# KiCad board TRS80_Model_I_Jap20_E1.kicad_pcb (continued)
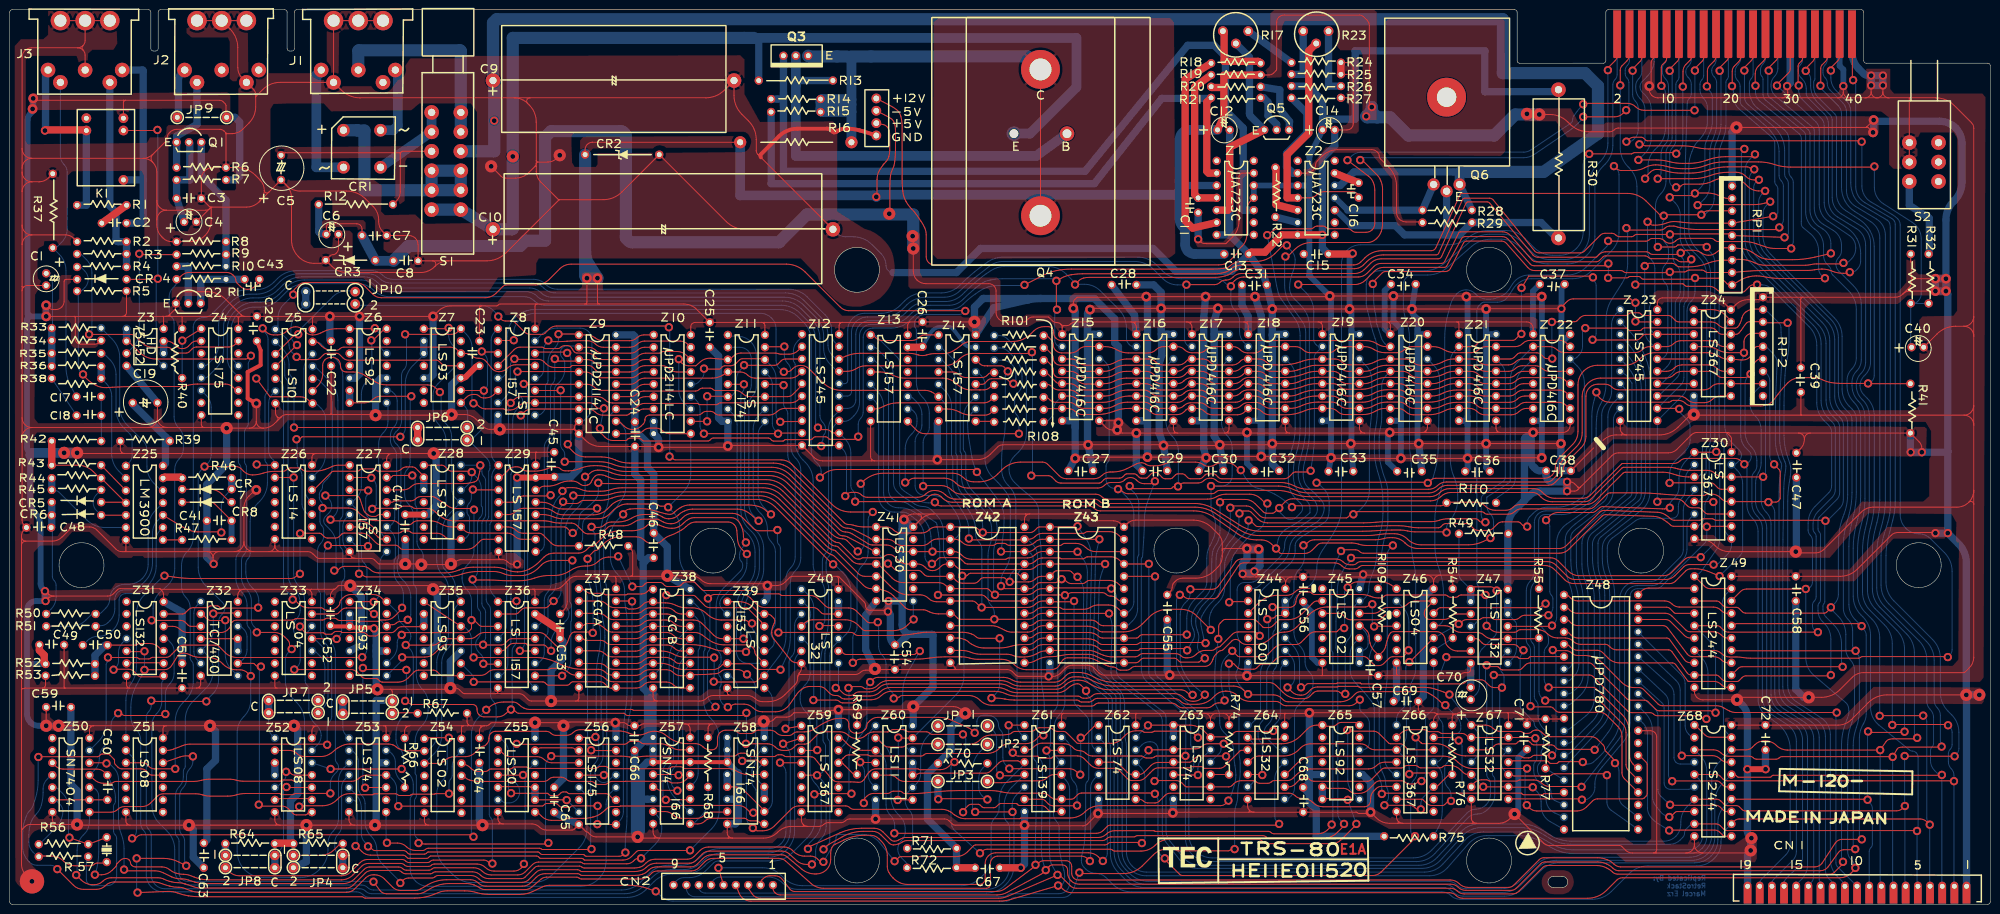
[diagram p0: board, top side]
## Routing (per net, layer and track width the routed paths; a pad name or vN(x,y) marks a point on that pad's centre or on a via; arc(x,y) is an arc through that point) (continued)
/A3: length 639.7
  Top w0.2: Z14.14 199.36,111.17 arc(199.81,110.87) 200.34,110.76 200.91,110.76 arc(200.91,110.76) 200.92,110.76 arc(200.92,110.76) 200.93,110.75 203.74,110.75 arc(204.07,110.69) 204.34,110.5 205.06,109.79 arc(205.09,109.74) 205.1,109.68 v2(205.1,109.62) ; v2(180.47,70.07) 180.57,70.07 arc(180.66,70.05) 180.74,70 181.82,68.92 arc(182.09,68.74) 182.41,68.68 186.69,68.68 arc(187.04,68.61) 187.34,68.41 187.95,67.8 arc(188.33,67.55) 188.77,67.46 Z42.5 193.44,67.46 arc(193.59,67.43) 193.7,67.35 194.46,66.59 arc(195.08,66.18) 195.81,66.03 198.15,66.03 arc(198.61,66.13) 199.01,66.39 199.58,66.96 arc(199.82,67.12) 200.1,67.18 204.27,67.18 arc(204.41,67.15) 204.52,67.07 205.17,66.42 arc(205.26,66.36) 205.37,66.34 v2(205.48,66.34) 205.5,66.32 arc(205.52,66.31) 205.54,66.31 209.31,66.31 arc(210.06,66.45) 210.7,66.88 arc(211.34,67.31) 212.09,67.46 213.25,67.46 arc(213.7,67.55) 214.08,67.8 214.42,68.13 arc(214.42,68.14) 214.42,68.15 arc(214.43,68.17) 214.43,68.18 214.64,68.38 arc(214.88,68.54) 215.16,68.6 217.68,68.6 arc(217.96,68.54) 218.2,68.38 219.15,67.43 arc(219.23,67.37) 219.33,67.35 v2(219.43,67.35) ; Z41.3 177.8,72.54 arc(177.56,72.58) 177.36,72.72 177.35,72.73 arc(177.15,72.9) 176.93,73.04 172.24,75.53 arc(171.74,75.72) 171.21,75.79 arc(170.7,75.89) 170.27,76.17 159.86,86.59 arc(158.09,87.77) 156.01,88.18 126.6,88.18 arc(125.12,88.32) 123.7,88.74 123.43,88.85 arc(122.28,89.19) 121.08,89.3 120.83,89.3 arc(119.93,89.12) 119.17,88.61 118.58,88.02 arc(118.48,87.95) 118.36,87.93 v2(118.23,87.93) ; Z36.5 100.88,52.09 arc(101.38,52.19) 101.8,52.47 102.59,53.26 arc(103.04,53.56) 103.57,53.66 105.9,53.66 arc(106.03,53.64) 106.14,53.56 106.31,53.4 arc(106.38,53.35) 106.46,53.33 109.74,53.33 arc(109.94,53.29) 110.11,53.18 111.11,52.18 arc(111.15,52.15) 111.2,52.14 v2(111.25,52.14) ; v2(369.09,171.42) 369.09,171.67 arc(369.13,171.91) 369.27,172.11 370.51,173.35 arc(370.85,173.86) 370.96,174.45 370.96,178.96 ; v2(389.38,35.5) 389.3,35.43 arc(389.22,35.37) 389.12,35.35 382.77,35.35 arc(382.63,35.38) 382.52,35.45 arc(382.41,35.53) 382.28,35.55 v2(381.89,35.55) ; Z68.14 381.61,21.61 arc(381.68,21.6) 381.73,21.56 v2(381.79,21.51)
  Bottom w0.2: v2(369.09,171.42) 369.58,170.92 arc(369.95,170.37) 370.08,169.73 370.08,168.41 arc(370.45,166.54) 371.5,164.96 374.08,162.39 arc(374.41,161.9) 374.52,161.32 374.52,145.34 arc(375.02,143.43) 376.39,142 380.52,139.47 arc(381.9,138.04) 382.39,136.13 382.39,111.53 arc(382.11,110.12) 381.32,108.92 381.04,108.65 arc(380.45,107.75) 380.24,106.7 arc(380.45,105.64) 381.04,104.75 381.7,104.1 arc(382.78,102.48) 383.16,100.57 383.16,82.87 arc(383.01,80.56) 382.58,78.28 382.34,77.34 arc(381.91,75.06) 381.76,72.74 381.76,64.63 arc(382.17,62.55) 383.35,60.78 387.79,56.35 arc(388.97,54.58) 389.38,52.5 v2(389.38,35.5) ; Z68.14 352.42,20.21 arc(351.39,18.66) 351.03,16.84 351.03,13.3 arc(350.66,11.47) 349.63,9.93 arc(348.08,8.89) 346.26,8.53 318.48,8.53 arc(316.4,8.11) 314.63,6.93 310.96,3.26 arc(309.2,2.08) 307.12,1.67 298.69,1.67 arc(297.53,1.9) 296.54,2.56 arc(295.56,3.22) 294.4,3.45 233.14,3.45 arc(231.06,3.86) 229.29,5.04 227.78,6.55 arc(226.6,8.32) 226.19,10.4 226.19,32.64 arc(226.14,32.89) 225.99,33.1 arc(225.85,33.31) 225.8,33.56 225.8,41.58 arc(225.68,42.13) 225.34,42.57 221.2,46.02 arc(220.66,46.72) 220.47,47.58 arc(220.47,48.53) 220.48,49.49 220.71,64.26 arc(220.55,65.37) 220.08,66.39 v2(219.43,67.35) ; v2(381.89,35.55) 381.84,35.5 arc(381.8,35.45) 381.79,35.38 v2(381.79,21.51) 381.79,21.42 arc(381.8,21.34) 381.85,21.27 382.28,20.83 arc(382.65,20.29) 382.78,19.64 382.78,12.42 arc(382.69,11.99) 382.45,11.63 arc(382.21,11.27) 382.12,10.84 CN1.9 ; v2(205.1,109.62) 204.85,109.37 arc(204.66,109.08) 204.59,108.75 204.59,99.31 arc(204.5,97.31) 204.21,95.33 arc(203.93,93.35) 203.83,91.36 203.83,89.61 arc(203.91,88.68) 204.15,87.78 arc(204.56,86.94) 205.14,86.22 205.26,86.1 arc(205.86,85.38) 206.34,84.57 arc(206.65,83.69) 206.75,82.76 206.75,69.88 arc(206.59,69.05) 206.12,68.35 205.97,68.19 arc(205.61,67.66) 205.48,67.02 v2(205.48,66.34) ; v2(118.23,87.93) 118.23,85.33 arc(117.82,83.25) 116.64,81.48 115.76,80.61 arc(114.59,78.84) 114.17,76.76 114.17,61.77 arc(114.27,61.27) 114.55,60.85 arc(114.83,60.43) 114.93,59.93 114.93,59.71 arc(114.79,59.01) 114.39,58.41 112.35,56.37 arc(111.54,55.15) 111.25,53.7 v2(111.25,52.14) ; Z41.3 180.45,70.14 arc(180.46,70.12) 180.47,70.1 v2(180.47,70.07)
/A4: length 637.6
  Top w0.2: v2(225.09,70) Z43.4 212.19,70 arc(211.44,69.85) 210.8,69.42 arc(210.16,68.99) 209.41,68.84 195.89,68.84 arc(195.14,68.99) 194.5,69.42 194.15,69.77 arc(193.9,69.94) 193.61,70 192.57,70 arc(191.9,69.86) 191.33,69.48 191.06,69.21 arc(190.41,68.78) 189.65,68.62 arc(188.88,68.78) 188.24,69.21 188.08,69.37 arc(187.38,69.83) 186.56,70 Z41.11 184.5,70 arc(183.42,70.21) 182.51,70.82 181.86,71.47 arc(181.36,71.81) 180.76,71.93 180.58,71.93 arc(180.14,71.84) 179.78,71.6 arc(179.41,71.35) 178.98,71.27 175.31,71.27 arc(175.14,71.23) 175,71.14 arc(174.86,71.05) 174.7,71.01 174.37,71.01 arc(173.9,71.11) 173.5,71.37 170.68,74.19 arc(170.46,74.34) 170.2,74.39 arc(169.93,74.42) 169.67,74.5 169.51,74.57 arc(169.12,74.79) 168.78,75.08 158.92,84.94 arc(157.15,86.12) 155.07,86.53 121.21,86.53 arc(121.11,86.55) 121.03,86.61 v2(120.95,86.68) ; v2(386.87,36.87) 386.92,36.93 arc(386.97,36.96) 387.04,36.98 398.06,36.98 arc(398.16,36.96) 398.24,36.9 v2(398.32,36.82) ; 346.2,26.69 350.74,26.69 arc(351.12,26.61) 351.45,26.4 352.09,25.75 arc(352.49,25.49) 352.95,25.39 399.41,25.39 arc(399.46,25.38) 399.5,25.36 v2(399.54,25.32) ; v2(115.69,76.37) 115.61,76.37 arc(115.52,76.39) 115.45,76.43 114.46,77.43 arc(114.25,77.57) 114,77.62 Z29.11
  Bottom w0.2: Z42.4 192.59,70.69 arc(192.08,71.47) 191.9,72.38 191.9,76.32 arc(191.81,77.35) 191.55,78.35 arc(191.1,79.27) 190.46,80.07 189.39,81.13 arc(188.65,81.63) 187.77,81.81 arc(186.85,81.94) 186.01,82.31 184.05,83.52 arc(183.17,84.14) 182.37,84.85 arc(181.81,85.7) 181.61,86.69 181.61,108.63 arc(181.19,110.71) 180.01,112.48 178.28,114.22 arc(177.88,114.48) 177.42,114.57 Z13.2 ; v2(115.69,76.37) 115.83,76.37 arc(115.96,76.4) 116.07,76.47 116.41,76.8 arc(116.74,77.28) 116.9,77.84 117.06,79.56 arc(117.12,79.9) 117.22,80.22 arc(117.38,80.51) 117.61,80.75 118.71,81.66 arc(119.49,82.33) 120.23,83.04 arc(120.76,83.84) 120.95,84.79 v2(120.95,86.68) ; CN1.2 399.58,3.74 arc(399.55,3.79) 399.54,3.84 v2(399.54,25.32) 399.54,26.52 arc(399.39,27.26) 398.97,27.9 arc(398.55,28.53) 398.4,29.28 398.4,30.98 arc(398.5,31.47) 398.78,31.9 arc(399.06,32.32) 399.16,32.82 399.16,35.39 arc(399.05,35.94) 398.74,36.4 v2(398.32,36.82) ; v2(386.87,36.87) 386.87,53.62 arc(386.45,55.7) 385.27,57.47 382.34,60.4 arc(381.16,62.17) 380.74,64.25 380.74,72.49 arc(380.88,74.81) 381.29,77.09 381.6,78.39 arc(382,80.68) 382.14,83 382.14,100.5 arc(381.79,102.24) 380.81,103.71 380.6,103.93 arc(379.77,105.17) 379.47,106.64 379.47,106.88 arc(379.72,108.12) 380.43,109.18 arc(381.13,110.23) 381.38,111.48 381.38,135.62 arc(380.88,137.54) 379.51,138.97 375.63,141.36 arc(374.26,142.79) 373.76,144.71 373.76,160.42 arc(373.52,161.59) 372.86,162.59 369.51,165.94 arc(369.27,166.3) 369.19,166.72 369.19,167.76 arc(368.97,168.84) 368.36,169.75 368.12,170 arc(367.69,170.64) 367.54,171.41 367.54,171.6 arc(367.65,172.18) 367.98,172.68 arc(368.31,173.17) 368.43,173.75 J4.31 ; 346.2,26.69 347.03,25.86 arc(347.64,24.95) 347.85,23.87 347.85,14.01 arc(347.64,12.93) 347.03,12.02 arc(346.11,11.41) 345.03,11.19 321.33,11.19 arc(319.1,11.48) 317.02,12.33 314.55,13.74 arc(312.47,14.59) 310.24,14.88 302.85,14.88 arc(300.8,14.45) 299.08,13.23 294.51,8.27 arc(292.8,7.05) 290.74,6.62 233.61,6.62 arc(232.03,6.94) 230.69,7.83 arc(229.8,9.17) 229.49,10.74 229.49,32.5 arc(229.44,33.18) 229.3,33.84 arc(229.15,34.51) 229.11,35.18 229.11,40.99 arc(229.01,41.98) 228.74,42.94 arc(228.29,43.82) 227.64,44.57 223.82,48.12 arc(223.6,48.44) 223.53,48.82 223.86,65.13 arc(224.04,66.79) 224.5,68.41 v2(225.09,70)
/A5: length 610
  Top w0.2: Z29.2 100.67,87.78 arc(100.87,87.82) 101.04,87.93 102.47,89.36 arc(103.16,89.82) 103.99,89.99 104.25,89.99 arc(104.83,89.87) 105.32,89.54 arc(105.81,89.21) 106.39,89.1 107.91,89.1 arc(109.07,89.2) 110.2,89.5 110.57,89.64 arc(111.31,89.84) 112.08,89.91 112.31,89.91 arc(112.81,89.81) 113.23,89.53 arc(113.65,89.25) 114.15,89.15 114.78,89.15 arc(115.93,89.26) 117.03,89.58 117.28,89.68 arc(118.64,90.08) 120.05,90.21 120.78,90.21 arc(122.27,90.06) 123.7,89.62 arc(125.12,89.17) 126.61,89.02 156.34,89.02 arc(158.42,88.61) 160.19,87.43 170.53,77.09 arc(171.1,76.71) 171.77,76.57 arc(172.46,76.48) 173.11,76.19 176.38,74.17 arc(176.83,73.97) 177.32,73.9 180.14,73.9 arc(181.03,73.72) 181.79,73.22 arc(182.55,72.71) 183.44,72.54 Z41.12 v2(189.63,72.54) Z42.3 194.1,72.54 arc(194.86,72.39) 195.49,71.96 195.71,71.75 arc(196.58,71.17) 197.61,70.96 204.6,70.96 arc(204.78,71) 204.94,71.1 arc(205.09,71.2) 205.28,71.24 209.12,71.24 arc(209.98,71.41) 210.72,71.9 arc(211.45,72.39) 212.31,72.56 213.7,72.56 arc(213.71,72.56) 213.73,72.55 arc(213.74,72.54) 213.76,72.54 219.39,72.54 arc(219.4,72.53) 219.42,72.52 v2(219.43,72.51) ; 353.82,26.69 354.31,26.69 arc(354.54,26.64) 354.73,26.51 355.01,26.23 arc(355.13,26.16) 355.26,26.13 361.72,26.13 arc(361.86,26.16) 361.98,26.24 362.2,26.46 arc(362.29,26.52) 362.39,26.54 396.92,26.54 arc(396.97,26.55) 397.01,26.57 v2(397.05,26.61)
  Bottom w0.2: Z13.5 178.24,105.62 arc(179.23,104.14) 179.58,102.4 179.58,84.59 arc(179.81,83.43) 180.47,82.44 arc(181.45,81.78) 182.61,81.55 183,81.55 arc(184.58,81.3) 185.99,80.58 187.23,79.68 arc(188.07,78.89) 188.71,77.92 arc(189.12,76.82) 189.3,75.67 189.37,74.64 arc(189.43,73.93) 189.53,73.23 v2(189.63,72.54) ; v2(219.43,72.51) 220.46,71.19 arc(221.21,69.78) 221.46,68.2 221.11,48.53 arc(221.11,48.02) 221.1,47.52 arc(221.21,47.06) 221.5,46.69 226.12,42.93 arc(226.45,42.51) 226.57,41.98 226.57,33.82 arc(226.62,33.57) 226.76,33.36 arc(226.9,33.15) 226.95,32.9 226.95,10.78 arc(227.36,8.7) 228.54,6.93 229.8,5.68 arc(231.56,4.5) 233.65,4.08 294.87,4.08 arc(295.95,3.87) 296.86,3.26 arc(297.77,2.65) 298.85,2.43 306.74,2.43 arc(308.82,2.85) 310.58,4.03 314,7.44 arc(315.76,8.62) 317.85,9.04 345.62,9.04 arc(347.45,9.4) 348.99,10.43 arc(350.03,11.98) 350.39,13.81 350.39,21.01 arc(350.81,23.09) 351.98,24.85 353.82,26.69 ; J4.35 373.5,173.75 arc(373.39,173.17) 373.06,172.68 arc(372.73,172.18) 372.62,171.6 372.62,171.08 arc(372.73,170.5) 373.06,170.01 arc(373.39,169.52) 373.5,168.94 373.5,168.8 arc(373.65,168.1) 374.04,167.5 376.66,164.88 arc(377.24,164.02) 377.44,163 377.44,146.86 arc(377.94,144.96) 379.32,143.54 383.57,140.98 arc(384.94,139.56) 385.44,137.65 385.44,83.12 arc(385.29,80.81) 384.85,78.53 384.26,76.32 arc(383.81,74.04) 383.67,71.73 383.67,65.14 arc(384.08,63.06) 385.26,61.29 392.36,54.19 arc(393.54,52.43) 393.95,50.34 393.95,41.77 arc(394.13,40.86) 394.65,40.09 arc(395.17,39.31) 395.35,38.4 395.35,33.11 arc(395.27,32.69) 395.03,32.34 arc(394.8,31.99) 394.71,31.57 394.71,29.56 arc(394.94,28.43) 395.58,27.48 396.23,26.83 arc(396.46,26.67) 396.75,26.61 v2(397.05,26.61) 397.05,3.82 arc(397.06,3.78) 397.09,3.74 CN1.3
/A6: length 626.3
  Top w0.2: Z68.3 350.09,31.77 arc(350.95,31.6) 351.69,31.11 arc(352.42,30.62) 353.28,30.45 357.55,30.45 arc(357.95,30.37) 358.29,30.14 arc(358.63,29.92) 359.03,29.84 362.97,29.84 arc(363.32,29.91) 363.61,30.11 arc(363.91,30.3) 364.26,30.37 386.85,30.37 arc(386.89,30.37) 386.92,30.35 v2(386.94,30.32) 387.83,31.87 arc(388.02,32.1) 388.29,32.24 arc(388.6,32.31) 388.91,32.33 396.83,32.33 arc(396.89,32.34) 396.95,32.38 v2(397,32.43) ; J4.38 376.05,174.5 arc(375.93,173.91) 375.59,173.4 374.44,172.25 arc(374.29,172.03) 374.24,171.77 v2(374.24,171.49) ; v2(223.92,75.08) Z43.2 212.16,75.08 arc(211.34,74.91) 210.65,74.45 arc(209.96,73.99) 209.15,73.83 205.36,73.83 arc(205.1,73.88) 204.87,74.03 arc(204.65,74.18) 204.38,74.24 203.05,74.24 arc(202.79,74.18) 202.56,74.03 arc(202.34,73.88) 202.07,73.83 197.22,73.83 arc(196.41,73.99) 195.72,74.45 arc(195.03,74.91) 194.22,75.08 193.35,75.08 arc(193.3,75.09) 193.25,75.11 arc(193.21,75.14) 193.16,75.15 190.73,75.15 arc(189.84,74.97) 189.08,74.47 arc(188.32,73.96) 187.42,73.78 183.46,73.78 arc(182.62,73.95) 181.9,74.43 arc(181.18,74.91) 180.34,75.08 177.22,75.08 arc(177.05,75.11) 176.91,75.2 arc(176.77,75.32) 176.62,75.41 173.51,77.02 arc(172.82,77.27) 172.1,77.36 arc(171.4,77.5) 170.82,77.89 160.42,88.29 arc(158.65,89.47) 156.57,89.88 126.98,89.88 arc(125.5,90.03) 124.08,90.46 arc(122.65,90.88) 121.17,91.03 v2(114.04,91.03) ; Z8.11 113.12,105.68 arc(113.15,105.69) 113.18,105.71 v2(113.21,105.73)
  Bottom w0.2: Z42.2 193.74,75.08 arc(194.15,75.16) 194.5,75.39 194.75,75.65 arc(195.18,76.28) 195.32,77.03 195.32,77.55 arc(195.16,78.85) 194.7,80.06 194.59,80.25 arc(193.77,81.55) 192.77,82.71 192.63,82.85 arc(191.25,83.77) 189.64,84.09 188,84.09 arc(187.26,84.24) 186.62,84.66 arc(186.2,85.3) 186.05,86.04 186.05,95.17 arc(186.23,96.08) 186.75,96.86 arc(187.27,97.63) 187.45,98.54 187.45,100.73 arc(187.17,102.14) 186.37,103.33 185.56,104.14 arc(185.26,104.34) 184.91,104.41 Z13.11 ; Z68.3 347.47,30.5 arc(348.41,29.09) 348.74,27.43 348.74,13.9 arc(348.48,12.57) 347.72,11.45 arc(346.6,10.7) 345.27,10.43 321.33,10.43 arc(319.1,10.72) 317.01,11.56 314.43,12.99 arc(312.34,13.83) 310.11,14.12 303.48,14.12 arc(301.44,13.68) 299.77,12.43 295.48,7.54 arc(293.8,6.3) 291.76,5.86 233.58,5.86 arc(231.68,6.24) 230.06,7.32 arc(228.98,8.94) 228.6,10.85 228.6,33.28 arc(228.55,33.53) 228.41,33.74 arc(228.27,33.95) 228.22,34.2 228.22,42.78 arc(228.13,43.16) 227.9,43.47 223.41,47.24 arc(222.83,47.99) 222.63,48.91 arc(222.64,49.93) 222.65,50.95 222.95,63.08 arc(223.01,65.42) 223.06,67.77 223.1,70.08 arc(223.23,71.76) 223.53,73.43 v2(223.92,75.08) ; v2(114.04,91.03) 114.04,92.52 arc(113.94,93.06) 113.62,93.53 arc(113.31,93.99) 113.21,94.54 v2(113.21,105.73) ; CN1.7 387.03,3.79 arc(386.97,3.89) 386.94,4.01 v2(386.94,30.32) ; v2(397,32.43) 397,32.86 arc(396.97,33.03) 396.87,33.17 arc(396.78,33.31) 396.75,33.47 396.75,38.87 arc(396.58,39.7) 396.11,40.41 arc(395.64,41.11) 395.48,41.94 395.48,50.22 arc(395.06,52.3) 393.88,54.06 386.15,61.8 arc(384.97,63.56) 384.55,65.65 384.55,71.73 arc(384.73,74.03) 385.24,76.29 385.96,78.6 arc(386.17,79.4) 386.33,80.22 arc(386.43,81.05) 386.46,81.88 386.46,139.13 arc(386.43,139.59) 386.33,140.04 arc(386.13,140.43) 385.81,140.72 380.67,143.77 arc(379.63,144.62) 378.9,145.74 arc(378.48,147.03) 378.33,148.39 378.33,163.14 arc(378.11,164.26) 377.47,165.21 375.32,167.37 arc(374.52,168.56) 374.24,169.97 v2(374.24,171.49)
/A7: length 619.4
  Top w0.2: Z68.18 356.8,31.77 arc(357.52,31.91) 358.13,32.32 358.66,32.85 arc(359.49,33.4) 360.47,33.6 360.8,33.6 arc(362.02,33.35) 363.07,32.66 arc(364.11,31.96) 365.33,31.72 v2(384.38,31.72) 385.6,33.47 arc(385.86,33.75) 386.2,33.92 arc(386.59,34) 386.98,34.03 391.62,34.03 arc(391.76,34.06) 391.87,34.13 v2(391.97,34.23) ; v2(114.55,113.4) 114.46,113.49 arc(114.36,113.56) 114.25,113.58 108.42,113.58 arc(108.24,113.55) 108.09,113.44 Z8.14 ; J4.36 373.5,174.25 arc(373.41,173.77) 373.14,173.36 372.46,172.69 arc(372.24,172.35) 372.16,171.95 372.16,168.46 arc(372.15,168.42) 372.13,168.4 v2(372.11,168.37) ; v2(219.43,77.74) 219.37,77.68 arc(219.29,77.63) 219.21,77.62 Z43.1 211.6,77.62 arc(211.37,77.57) 211.17,77.44 210.59,76.85 arc(210.14,76.55) 209.61,76.45 199.99,76.45 arc(199.97,76.45) 199.96,76.46 v2(199.95,76.47) 199.83,76.47 arc(199.73,76.49) 199.64,76.55 199.15,77.04 arc(198.51,77.47) 197.77,77.62 Z42.1 190.41,77.62 arc(189.6,77.45) 188.91,76.99 arc(188.22,76.53) 187.41,76.37 183.12,76.37 arc(182.31,76.53) 181.62,76.99 arc(180.93,77.45) 180.12,77.62 Z41.1 175.55,77.62 arc(174.63,77.68) 173.73,77.87 173.33,77.98 arc(172.84,78.09) 172.34,78.12 arc(171.87,78.22) 171.47,78.48 160.73,89.23 arc(159.92,89.88) 158.99,90.36 arc(157.98,90.65) 156.94,90.75 127.39,90.75 arc(125.89,90.91) 124.46,91.38 arc(123.03,91.86) 121.53,92.02 118.36,92.02 arc(116.95,92.3) 115.76,93.1 114.84,94.02 arc(114.72,94.19) 114.68,94.41 v2(114.68,94.63)
  Bottom w0.2: v2(219.43,77.74) 221.09,75.31 arc(222.03,73.32) 222.33,71.14 221.89,50.95 arc(221.87,49.8) 221.87,48.66 arc(222.1,47.62) 222.74,46.78 227.14,43.11 arc(227.28,42.92) 227.33,42.7 227.33,33.94 arc(227.38,33.69) 227.52,33.48 arc(227.66,33.27) 227.71,33.02 227.71,11.04 arc(228.12,8.95) 229.3,7.19 230.18,6.31 arc(231.94,5.13) 234.03,4.72 295.59,4.72 arc(296.59,4.52) 297.43,3.96 arc(298.28,3.39) 299.27,3.19 306.48,3.19 arc(308.56,3.61) 310.33,4.79 313.62,8.08 arc(315.38,9.26) 317.47,9.67 345.2,9.67 arc(346.95,10.02) 348.42,11 arc(349.41,12.48) 349.76,14.22 349.76,25.45 arc(350.17,27.53) 351.35,29.3 Z68.18 ; v2(199.95,76.47) 199.95,77.62 arc(199.82,78.73) 199.44,79.78 199.29,80.09 arc(198.53,81.36) 197.57,82.48 196.15,83.9 arc(195.57,84.58) 195.1,85.33 arc(194.79,86.15) 194.69,87.02 194.69,92.17 arc(194.66,92.33) 194.56,92.47 arc(194.47,92.62) 194.44,92.78 194.44,107.05 arc(194.06,108.95) 192.97,110.57 191.74,111.81 arc(191.49,111.97) 191.2,112.03 Z14.3 ; v2(114.55,113.4) 114.56,113.4 arc(114.58,113.4) 114.59,113.4 114.95,113.04 arc(115.22,112.63) 115.31,112.15 115.31,95.72 arc(115.23,95.3) 115,94.95 v2(114.68,94.63) ; CN1.8 384.5,3.82 arc(384.41,3.96) 384.38,4.12 v2(384.38,31.72) ; v2(391.97,34.23) 391.69,34.51 arc(391.48,34.82) 391.41,35.19 391.41,51.74 arc(391,53.82) 389.82,55.59 384.37,61.04 arc(383.19,62.8) 382.78,64.88 382.78,72.62 arc(382.92,74.93) 383.37,77.21 383.71,78.53 arc(384.15,80.81) 384.3,83.12 384.3,137.01 arc(383.81,138.94) 382.45,140.4 379.11,142.53 arc(377.98,143.47) 377.13,144.67 arc(376.61,146.04) 376.43,147.51 376.43,162.63 arc(376.25,163.52) 375.75,164.27 372.27,167.75 arc(372.15,167.93) 372.11,168.14 v2(372.11,168.37)
/A8: length 695.7
  Top w0.2: Z43.23 228.85,75.08 arc(228.73,75.1) 228.64,75.17 227.94,75.86 arc(227.07,76.45) 226.04,76.65 221.46,76.65 arc(221.23,76.6) 221.03,76.47 arc(220.83,76.34) 220.6,76.3 212.21,76.3 arc(211.42,76.14) 210.74,75.69 210.7,75.64 arc(210.07,75.22) 209.33,75.08 208.62,75.08 arc(208.54,75.06) 208.47,75.01 arc(208.4,74.97) 208.32,74.95 197.58,74.95 arc(197.4,74.99) 197.24,75.09 v2(197.1,75.23) ; v2(103.58,116.02) 103.55,116 arc(103.53,115.98) 103.49,115.97 100.54,115.97 arc(100.46,115.95) 100.39,115.91 100.33,115.84 ; v2(379.25,11.35) 379.18,11.28 arc(379.11,11.24) 379.03,11.22 376.88,11.22 arc(376.27,11.07) 375.8,10.67 373.67,7.7 arc(372.99,7.11) 372.12,6.9 330.69,6.9 arc(330.02,7.03) 329.46,7.41 arc(328.92,7.87) 328.3,8.22 328.12,8.31 arc(327.25,8.61) 326.35,8.71 315.51,8.71 arc(315.02,8.61) 314.61,8.33 309.56,3.29 arc(309.1,2.97) 308.54,2.86 299.19,2.86 arc(298.36,3.03) 297.66,3.5 arc(296.96,3.97) 296.13,4.13 219.78,4.13 arc(218.87,4.32) 218.1,4.83 218.08,4.85 arc(217.57,5.6) 217.4,6.5 217.4,7.01 arc(217.31,7.43) 217.08,7.78 arc(216.73,8.01) 216.31,8.1 214.21,8.1 arc(213.96,8.05) 213.75,7.91 213.57,7.72 arc(213.56,7.71) 213.56,7.7 arc(213.56,7.69) 213.55,7.68 v2(212.9,7.03) 212.6,6.7 arc(212.27,6.4) 211.89,6.16 204.94,2.43 arc(203.95,2.05) 202.91,1.92 158.32,1.92 arc(157.75,2.04) 157.27,2.36 157.26,2.37 arc(156.95,2.83) 156.84,3.37 CN2.1 ; Z49.14 354.53,52.22 arc(354.58,52.21) 354.62,52.18 arc(354.66,52.15) 354.71,52.14 v2(379.32,52.14) ; Z14.6 190.78,104.41 arc(190.68,104.43) 190.6,104.48 190.28,104.81 arc(189.86,105.16) 189.38,105.42 189.3,105.45 arc(188.71,105.64) 188.08,105.71 170.96,105.71 arc(168.88,106.12) 167.11,107.3 164.28,110.13 arc(163.5,110.65) 162.57,110.84 162.5,110.84 arc(161.64,110.67) 160.91,110.18 160.66,109.93 arc(160.2,109.63) 159.66,109.52 v2(159.08,109.52) ; v2(360.73,146.73) 359.41,146.73 arc(358.19,146.97) 357.15,147.66 356.74,148.08 arc(355.25,149.07) 353.49,149.42 352.71,149.42 arc(351.32,149.26) 350.01,148.77 arc(348.7,148.29) 347.31,148.13 344.28,148.13 arc(343.85,148.04) 343.48,147.8 343.4,147.72 arc(343.12,147.53) 342.8,147.47 v2(342.44,147.47)
  Bottom w0.2: v2(103.58,116.02) 103.58,117.49 arc(103.85,118.86) 104.62,120.01 104.87,120.26 arc(106.31,121.22) 108,121.56 154.23,121.56 arc(155.47,121.31) 156.53,120.61 arc(157.23,119.55) 157.48,118.31 157.48,111.86 arc(157.66,110.96) 158.16,110.2 158.77,109.6 arc(158.86,109.54) 158.96,109.52 v2(159.08,109.52) ; v2(197.1,75.23) 197.1,76.93 arc(196.88,78.57) 196.22,80.09 195.22,81.74 arc(194.71,82.47) 194.12,83.14 arc(193.56,83.83) 193.15,84.61 193.01,84.95 arc(192.65,86.15) 192.53,87.39 192.53,101.59 arc(192.32,102.67) 191.7,103.59 Z14.6 ; v2(360.73,146.73) 360.07,146.07 arc(359.58,145.34) 359.41,144.47 359.41,137.4 arc(359.82,135.32) 361,133.55 374.2,120.36 arc(375.38,118.59) 375.79,116.51 375.79,105.25 arc(376.15,103.42) 377.19,101.87 377.94,101.12 arc(378.42,100.41) 378.58,99.57 378.58,84.65 arc(378.43,82.34) 377.96,80.07 377.44,78.21 arc(376.96,75.94) 376.81,73.63 376.81,60.93 arc(377.05,59.68) 377.76,58.63 arc(378.46,57.57) 378.71,56.33 378.71,53.28 arc(378.79,52.88) 379.02,52.55 379.29,52.28 arc(379.31,52.24) 379.32,52.19 v2(379.32,52.14) 379.32,52 arc(379.35,51.87) 379.42,51.76 379.72,51.47 arc(380.01,51.03) 380.11,50.52 380.11,40.01 arc(379.95,38.15) 379.47,36.34 arc(379,34.54) 378.84,32.68 378.84,12.04 arc(378.89,11.78) 379.04,11.55 v2(379.25,11.35) ; v2(342.44,147.47) 342.16,147.47 arc(341.9,147.52) 341.68,147.66 341.5,147.85 arc(341.22,148.27) 341.12,148.77 341.12,154.19 arc(341.29,155.02) 341.75,155.72 arc(342.22,156.42) 342.39,157.25 342.39,168.61 arc(342.47,169.02) 342.71,169.37 arc(342.94,169.73) 343.02,170.14 J4.11 ; Z42.23 208.85,75.08 arc(209.14,75.02) 209.39,74.85 210.18,74.06 arc(210.93,72.93) 211.2,71.61 211.2,31.09 arc(211.33,30.43) 211.71,29.86 arc(212.08,29.3) 212.22,28.64 212.22,26.75 arc(212.2,24.4) 212.17,22.06 211.98,12.34 arc(212,11.2) 212.09,10.05 212.1,9.9 arc(212.27,8.92) 212.56,7.97 v2(212.9,7.03)
/A9: length 723.6
  Top w0.2: Z43.22 223.17,72.54 arc(222.06,72.76) 221.12,73.39 arc(220.18,74.02) 219.06,74.24 216.83,74.24 arc(216.53,74.18) 216.28,74.01 arc(216.03,73.84) 215.73,73.78 212.13,73.78 arc(211.32,73.62) 210.63,73.16 210.53,73.06 arc(209.95,72.67) 209.27,72.54 Z42.22 203.75,72.54 arc(203.73,72.54) 203.72,72.55 v2(203.71,72.56) ; v2(380.59,13.35) 376.57,13.35 arc(375.75,13.15) 375.13,12.58 372.46,8.5 arc(371.81,7.91) 370.96,7.69 331.06,7.69 arc(330.31,7.84) 329.68,8.26 arc(329.06,8.76) 328.36,9.13 328.19,9.2 arc(327.26,9.48) 326.29,9.57 315.27,9.57 arc(314.75,9.47) 314.3,9.17 309.03,3.89 arc(308.56,3.58) 308.02,3.47 299.7,3.47 arc(298.71,3.67) 297.86,4.24 arc(297.02,4.8) 296.02,5 219.62,5 arc(219.09,5.1) 218.64,5.4 arc(218.34,5.85) 218.23,6.38 218.23,7.79 arc(218.15,8.24) 217.89,8.62 arc(217.51,8.87) 217.06,8.96 212.48,8.96 arc(211.93,8.85) 211.47,8.54 211.14,8.21 arc(211.04,8.14) 210.92,8.12 v2(210.79,8.12) 210.5,7.79 arc(210.19,7.48) 209.86,7.2 204.62,3.26 arc(203.73,2.8) 202.74,2.64 161.32,2.64 arc(160.77,2.76) 160.33,3.12 158.76,5.13 arc(158.1,5.67) 157.26,5.86 156.21,5.86 arc(155.48,5.72) 154.86,5.3 154.58,5.02 arc(154.38,4.71) 154.3,4.35 CN2.2 ; v2(361.77,144.52) 360.65,144.21 arc(359.52,143.99) 358.38,143.91 347.03,143.91 arc(346.97,143.9) 346.91,143.86 v2(346.86,143.81) ; v2(198.75,88.92) 198.5,89.17 arc(198.22,89.36) 197.89,89.43 170.03,89.43 arc(168.29,89.08) 166.81,88.09 v2(166.5,87.78) ; Z49.16 354.12,57.3 arc(354.26,57.33) 354.39,57.41 354.61,57.63 arc(354.72,57.7) 354.85,57.73 379.65,57.73 arc(379.75,57.71) 379.83,57.65 380.15,57.33 arc(380.27,57.25) 380.41,57.22 v2(380.57,57.22)
  Bottom w0.2: v2(346.86,143.81) 346.92,143.81 arc(346.98,143.82) 347.03,143.85 348.18,145 arc(349.06,146.32) 349.38,147.88 349.38,154.49 arc(349.49,155.7) 349.82,156.86 349.95,157.2 arc(350.25,158.01) 350.52,158.83 arc(350.71,159.67) 350.77,160.52 350.77,168.97 arc(350.64,169.64) 350.26,170.2 350.25,170.21 arc(349.88,170.76) 349.76,171.41 349.76,171.48 arc(349.87,172.06) 350.2,172.55 arc(350.53,173.04) 350.64,173.62 J4.17 ; v2(166.5,87.78) 166.62,87.9 arc(166.72,88.04) 166.75,88.21 166.75,88.98 arc(166.57,89.86) 166.08,90.61 165.73,90.95 arc(164.98,92.08) 164.72,93.4 164.72,115.88 arc(164.3,117.96) 163.12,119.72 162.12,120.73 arc(160.35,121.91) 158.27,122.32 107.79,122.32 arc(105.71,121.91) 103.94,120.73 103.83,120.61 arc(102.65,118.85) 102.23,116.76 102.23,110.17 arc(102.08,109.43) 101.66,108.79 101.36,108.49 arc(101.06,108.29) 100.71,108.22 Z8.5 ; Z14.10 197.67,101.05 arc(197.06,100.13) 196.85,99.05 196.85,98.76 arc(196.91,97.31) 197.08,95.86 197.73,91.91 arc(197.97,90.88) 198.33,89.89 v2(198.75,88.92) 203.07,83.22 arc(204.02,81.44) 204.34,79.46 arc(204.27,77.37) 204.07,75.28 v2(203.71,72.56) ; Z42.22 208.98,72.54 arc(209.39,72.45) 209.74,72.22 209.87,72.09 arc(210.19,71.6) 210.31,71.02 210.31,30.53 arc(210.41,30.03) 210.69,29.61 arc(210.97,29.19) 211.07,28.69 211.07,26.94 arc(211.06,24.66) 211.01,22.37 210.72,11.02 arc(210.71,10.05) 210.74,9.09 v2(210.79,8.12) ; v2(380.59,13.35) 380.35,13.6 arc(380.17,13.86) 380.11,14.18 380.11,34.36 arc(380.16,35.06) 380.32,35.75 arc(380.56,36.41) 380.88,37.05 381.02,37.27 arc(381.38,38.15) 381.51,39.09 381.51,55.36 arc(381.38,55.98) 381.04,56.5 380.66,56.88 arc(380.59,56.98) 380.57,57.09 v2(380.57,57.22) 379.26,58.53 arc(378.29,59.98) 377.95,61.69 377.95,73.63 arc(378.08,75.95) 378.48,78.24 378.94,80.17 arc(379.34,82.46) 379.47,84.78 379.47,99.79 arc(379.26,100.89) 378.63,101.83 378.01,102.44 arc(376.93,104.06) 376.55,105.97 376.55,116.76 arc(376.14,118.85) 374.96,120.61 361.89,133.68 arc(360.71,135.45) 360.3,137.53 360.3,142 arc(360.49,142.97) 361.03,143.78 v2(361.77,144.52)
/A10: length 600.5
  Top w0.2: Z49.18 354.24,62.8 arc(354.27,62.84) 354.28,62.88 arc(354.29,62.93) 354.31,62.97 355.67,64.33 arc(356.24,64.71) 356.91,64.84 369.04,64.84 arc(369.06,64.84) 369.07,64.85 v2(369.09,64.87) ; Z43.19 228.92,64.92 arc(228.86,64.93) 228.81,64.96 228,65.77 arc(227.06,66.4) 225.95,66.62 221.95,66.62 arc(221.52,66.53) 221.16,66.29 arc(220.79,66.04) 220.36,65.96 218.25,65.96 arc(217.65,66.08) 217.14,66.41 216.87,66.68 arc(216.67,66.82) 216.42,66.87 v2(216.15,66.87) 215.99,66.87 arc(215.83,66.84) 215.71,66.76 215.25,66.3 arc(215.1,66.2) 214.91,66.16 211.8,66.16 arc(211.39,66.08) 211.03,65.84 210.41,65.22 arc(210.07,65) 209.68,64.92 Z42.19 204.62,64.92 arc(204.27,64.99) 203.97,65.18 v2(203.71,65.45) ; v2(213.05,31.64) 213.07,31.65 arc(213.08,31.66) 213.1,31.67 215.98,31.67 arc(216.04,31.68) 216.1,31.72 Z61.14 ; CN2.3 151.76,3.36 arc(151.79,3.23) 151.86,3.12 arc(151.96,3.01) 152.05,2.9 152.58,2.13 arc(153.31,1.47) 154.26,1.24 203.18,1.24 arc(204.12,1.33) 205.01,1.61 v2(215.31,6.04) 215.52,6.04 arc(215.7,6) 215.86,5.9 217.97,3.79 arc(218.52,3.42) 219.16,3.3 296.07,3.3 arc(296.84,3.14) 297.48,2.71 arc(298.13,2.28) 298.89,2.13 308.76,2.13 arc(309.51,2.28) 310.15,2.7 315.02,7.58 arc(315.46,7.87) 315.97,7.97 326.17,7.97 arc(327.12,7.86) 328.03,7.54 328.32,7.39 arc(328.87,7.06) 329.36,6.65 arc(329.87,6.31) 330.46,6.19 374.03,6.19 arc(374.53,6.29) 374.96,6.58 376.6,8.22 arc(376.7,8.36) 376.73,8.54 v2(376.73,8.73) ; v2(330.96,168.45) 330.96,171.57 arc(331.06,172.06) 331.34,172.49 332.29,173.44 arc(332.72,174.07) 332.87,174.82 J4.4 ; v2(334.06,127.45) 334.15,127.54 arc(334.25,127.61) 334.36,127.63 343.76,127.63 arc(343.88,127.61) 343.98,127.54 344.24,127.27 arc(344.44,127.14) 344.67,127.1 349.27,127.1 arc(350.05,126.94) 350.71,126.5 arc(351.37,126.06) 352.15,125.9 356.08,125.9 arc(356.32,125.95) 356.51,126.08 357.46,127.03 arc(357.93,127.34) 358.48,127.45 v2(359.08,127.45)